# Altium PCB Nav-HAT.PcbDoc
Units mil, origin at the board's own origin, x right, y up, seen from the top; angles counter-clockwise.
Board outline 6000 x 4000 mil, 2 copper layers (Top Layer, Bottom Layer); 118 components, 92 nets, 398 pads, 0 vias.
Unrouted connection lines stored in the file: 273.
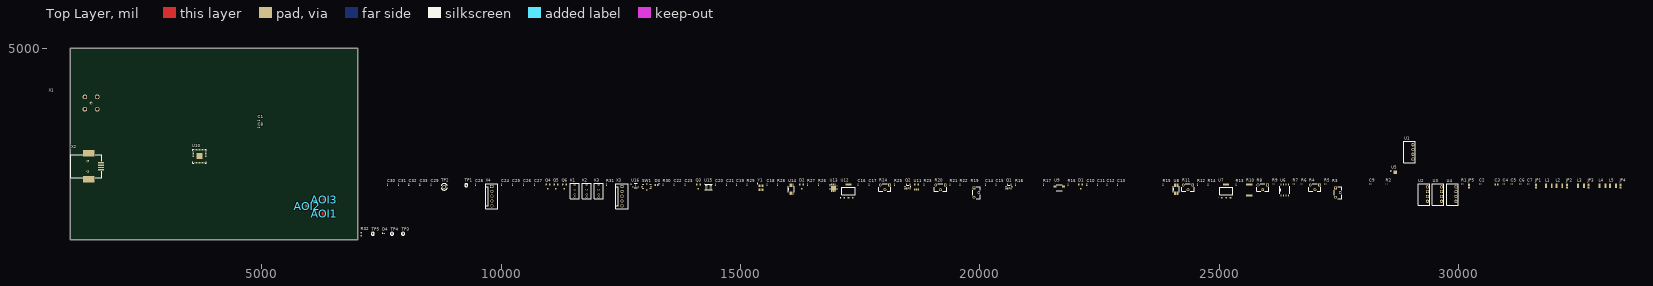
[diagram p0: Top Layer view]
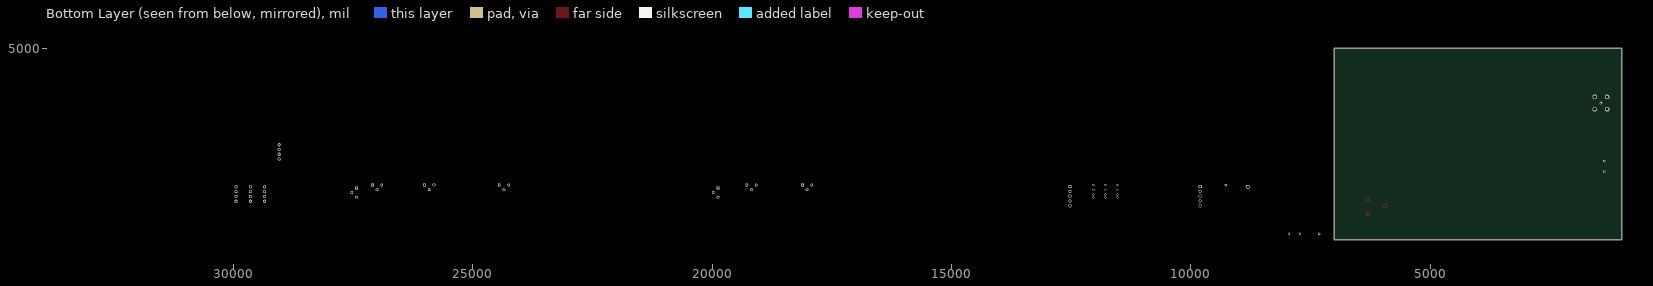
[diagram p1: Bottom Layer view, seen from below]

## Layer stack, top to bottom
Top Solder: solder mask 0.4, Solder Resist, Dk 3.5
Top Layer: signal copper 1.4
Dielectric 1: dielectric 12.6, FR-4, Dk 4.8
Bottom Layer: signal copper 1.4
Bottom Solder: solder mask 0.4, Solder Resist, Dk 3.5

## Board outline
1000,1000 7000,1000 7000,5000 1000,5000

## Design rules (kind name [scope] priority, off if disabled: settings)
Clearance [All] p1: gap=10 ignorepadtopadclearanceinfootprint=FALSE except(0: Arc-Hole Track-Hole SMDPad-Hole THPad-Hole Via-Hole Fill-Hole Poly-Hole Region-Hole Text-Hole)
PolygonConnect [All] p1: connectstyle=Relief reliefconductorwidth=10 reliefentries=4 polygonreliefangle="90 Angle" airgapwidth=10
RoutingVias [All] p1: holewidth=28 width=50 viastyle="Through Hole" minholewidth=28 minwidth=50 maxholewidth=28 maxwidth=50
SolderMaskExpansion [All] p1: expansion=4 istentingtop=FALSE
Width [All] p1: maxlimit=10 minlimit=10 preferedwidth=10
30 further rules are at their usual default settings.

## Components (designator, comment, footprint, x,y, rotation, side; value= is the part's Value field where it differs from the comment)
AOI1 "FIDUCIAL_MARKER_CROSS" FIDUCIAL_MARKER_CROSS 6300,1540 r0 top
AOI2 "FIDUCIAL_MARKER_POINT" FIDUCIAL_MARKER_POINT 5945,1705 r90 top
AOI3 "FIDUCIAL_MARKER_POINT" FIDUCIAL_MARKER_POINT 6310,1840 r90 top
C1 "CL05A105KP5NNNC" CAPC0402 4940,3490 r0 top value=1u
C2 "CL05A105KP5NNNC" CAPC0402 30450,2165 r0 top value=1u
C3 "680n_0603_25V_X7R_10%" CAPC0603 30785,2155 r0 top value=680n
C4 "CL05A475KP5NRNC" CAPC0402 30940,2165 r0 top value=4u7
C5 "CL05A475KP5NRNC" CAPC0402 31110,2165 r0 top value=4u7
C6 "CL05A475KP5NRNC" CAPC0402 31280,2165 r0 top value=4u7
C7 "CL05A475KP5NRNC" CAPC0402 31450,2165 r0 top value=4u7
C8 "CL05A105KP5NNNC" CAPC0402 4935,3340 r0 top value=1u
C9 "CC0402BRNPO9BN2R0" CAPC0402 28150,2165 r0 top value=2p
C10 "C0402C104J8RACTU" CAPC0402 22230,2145 r90 top value=100n
C11 "C0402C104J8RACTU" CAPC0402 22450,2145 r90 top value=100n
C12 "CC0402KRX7R8BB102" CAPC0402 22650,2145 r90 top value=2u2
C13 "CC0402KRX7R8BB102" CAPC0402 22870,2145 r90 top value=2u2
C14 "C0402C104J8RACTU" CAPC0402 20115,2145 r90 top value=100n
C15 "C0402C104J8RACTU" CAPC0402 20335,2145 r90 top value=100n
C16 "C0402C104J8RACTU" CAPC0402 17455,2145 r90 top value=100n
C17 "C0402C104J8RACTU" CAPC0402 17680,2145 r90 top value=100n
C18 "C0402C104J8RACTU" CAPC0402 15555,2145 r90 top value=100n
C19 "C0402C104J8RACTU" CAPC0402 14915,2145 r90 top value=100n
C20 "GJM1555C1H3R0BB01D" CAPC0402 14475,2145 r90 top value=15pF
C21 "GJM1555C1H3R0BB01D" CAPC0402 14705,2145 r90 top value=15pF
C22 "C0402C104J8RACTU" CAPC0402 13610,2145 r90 top value=100n
C23 "C0402C104J8RACTU" CAPC0402 13840,2145 r90 top value=100n
C24 "C0402C104J8RACTU" CAPC0402 10005,2145 r90 top value=100n
C25 "C0402C104J8RACTU" CAPC0402 10235,2145 r90 top value=100n
C26 "C0402C104J8RACTU" CAPC0402 10465,2145 r90 top value=100n
C27 "C0402C104J8RACTU" CAPC0402 10695,2145 r90 top value=100n
C28 "C0402C104J8RACTU" CAPC0402 9460,2145 r90 top value=100n
C29 "C0402C104J8RACTU" CAPC0402 8530,2145 r90 top value=100n
C30 "C0402C104J8RACTU" CAPC0402 7625,2145 r90 top value=100n
C31 "C0402C104J8RACTU" CAPC0402 7855,2145 r90 top value=100n
C32 "C0402C104J8RACTU" CAPC0402 8070,2145 r90 top value=100n
C33 "C0402C104J8RACTU" CAPC0402 8300,2145 r90 top value=100n
D1 "LM4040D30FTA" SOT23-3 22100,2110 r0 top value=3V
D2 "ADR510" SOT23-3 16275,2110 r0 top value=1V
D3 "LTST-C190GKT" LED0603G 13245,2145 r0 top
D4 "BAS40L-HG3-08" DFN1006-2A 7550,1135 r0 top
JP1 "5110 Keystone" JumperSMD_0603 31610,2120 r90 top value=0R
JP2 "5110 Keystone" JumperSMD_0603 32260,2120 r90 top value=0R
JP3 "5110 Keystone" JumperSMD_0603 32710,2120 r90 top value=0R
JP4 "5110 Keystone" JumperSMD_0603 33380,2120 r90 top value=0R
JP5 "5110 Keystone" JumperSMD_0603 30210,2120 r90 top value=0R
K1 "118-1-A-5/2D" 118-1-A-5/2D 11535,2015 r90 top
K2 "118-1-A-5/2D" 118-1-A-5/2D 11785,2015 r90 top
K3 "118-1-A-5/2D" 118-1-A-5/2D 12035,2015 r90 top
L1 "AISC-0603F-1R0J-T" INDC1210 31880,2125 r0 top value=10u
L2 "AISC-0603F-1R0J-T" INDC1210 32100,2125 r0 top value=10u
L3 "INDC_4u7_1210_800mA_20%" INDC1210 32550,2125 r0 top value=4u7
L4 "INDC_4u7_1210_800mA_20%" INDC1210 33000,2125 r0 top value=4u7
L5 "INDC_4u7_1210_800mA_20%" INDC1210 33220,2125 r0 top value=4u7
Q1 "BCV62B,215" SOT-143B 20610,2110 r0 top
Q2 "BCV62B,215" SOT-143B 18500,2110 r0 top
Q3 "FDV303N" SOT23-3 14120,2110 r0 top
Q4 "FDV303N" SOT23-3 10975,2110 r0 top
Q5 "FDV303N" SOT23-3 11145,2110 r0 top
Q6 "FDV303N" SOT23-3 11320,2110 r0 top
R1 "CRCW040214K3FKED" RESC0402 30070,2165 r0 top value=14K
R2 "CRCW040214K3FKED" RESC0402 28490,2165 r0 top value=2K
R3 "R" PV37 27475,1985 r90 top value=20
R4 "R" PV37 26995,2095 r0 top value=1K
R5 "MCS0402PD4990DE500" RESC0402 27210,2165 r0 top value=499R
R6 "MCS0402PD4990DE500" RESC0402 26725,2165 r0 top value=604
R7 "CRCW040214K3FKED" RESC0402 26555,2165 r0 top value=107
R8 "R" PV37 25905,2095 r0 top value=1K
R9 "MCS0402PD4990DE500" RESC0402 26120,2165 r0 top value=499R
R10 "PCAN2512E1000BST5" RESC2512 25625,2040 r90 top value=150m
R11 "R" PV37 24345,2095 r0 top value=1K
R12 "MCS0402PD4990DE500" RESC0402 24545,2145 r90 top value=1K5
R13 "CRCW040214K3FKED" RESC0402 25345,2145 r90 top value=27
R14 "RC0402FR-071KL" RESC0402 24765,2145 r90 top value=1K
R15 "CRCW040214K3FKED" RESC0402 23825,2145 r90 top value=48R7
R16 "CRCW040214K3FKED" RESC0402 21835,2145 r90 top value=1R2
R17 "62R6_0402_63mW_1%_200ppm" RESC0402 21330,2145 r90 top value=62R6
R18 "CRCW040214K3FKED" RESC0402 20740,2145 r90 top value=27
R19 "R" PV37 19925,1985 r90 top value=20
R20 "R" PV37 19175,2095 r0 top value=1K
R21 "RC0402FR-071KL" RESC0402 19375,2145 r90 top value=1K
R22 "MCS0402PD4990DE500" RESC0402 19585,2145 r90 top value=604
R23 "MCS0402PD4990DE500" RESC0402 18830,2145 r90 top value=118
R24 "R" PV37 18015,2095 r0 top value=1K
R25 "RC0402FR-071KL" RESC0402 18215,2145 r90 top value=1K
R26 "CRCW040214K3FKED" RESC0402 16630,2145 r90 top value=3K
R27 "MCS0402PD4990DE500" RESC0402 16400,2145 r90 top value=10K2
R28 "RC0402FR-071KL" RESC0402 15775,2145 r90 top value=1K
R29 "MCS0402PD4990DE500" RESC0402 15135,2145 r90 top value=3K4
R30 "RC0402FR-07330RL" RESC0402 13380,2145 r90 top value=330R
R31 "RC0402FR-071KL" RESC0402 12200,2145 r90 top value=1K
R32 "" RESC0603 7075,1115 r90 top value=10
SW1 "434133025816" 434133025816 13040,2110 r0 top
TP1 "TP_TH_PROBE_0.8mm" TP_TH_PROBE_0.8mm 9270,2140 r0 top
TP2 "Keystone Electronics 5011" TP_TH_1.6mm_BLACK_OVAL 8810,2105 r0 top value=TP_TH_1.6mm_BLACK_OVAL
TP3 "TP_TH_PROBE_0.8mm" TP_TH_PROBE_0.8mm 7950,1125 r90 top
TP4 "TP_TH_PROBE_0.8mm" TP_TH_PROBE_0.8mm 7720,1125 r90 top
TP5 "TP_TH_PROBE_0.8mm" TP_TH_PROBE_0.8mm 7320,1125 r90 top
U1 "MEE1S0503SC" MEE1SXXXXSC 28965,2835 r90 top
U2 "CRE1S0505SC" CRE1SXXXXCS 29270,1955 r90 top
U3 "CRE1S0505SC" CRE1SXXXXCS 29565,1955 r90 top
U4 "CRE1S0515SC" CRE1SXXXXCS 29865,1955 r90 top
U5 "ST1L08PUR" "DFN8 (2x3)" 28675,2410 r0 top
U6 "LT1227CS8#PBF" "SOIC8 (R-8)" 26365,2040 r0 top value=LT1227
U7 "LT3092" SOT-232-3 25140,2015 r0 top
U8 "AD8221ARMZ-R7" MSOP8(RM-8) 24100,2055 r90 top
U9 "AD5627" MSOP10(RM-10) 21655,2085 r0 top value=AD5627BRMZ
U10 "RP2040" QFN56_7X7_RPI 3700,2745 r0 top
U11 "AD8009JRTZ-REEL7" SOT23-5 18675,2100 r0 top
U12 "LT3092" SOT-232-3 17255,2015 r0 top
U13 "ADG5208BCPZ-RL7" CP-16-17 16940,2085 r0 top value=ADG5208B
U14 "AD8221ARMZ-R7" MSOP8(RM-8) 16055,2055 r90 top
U15 "74LVC1G10W6-7" "SOT23-6 (RJ-6)" 14330,2100 r0 top
U16 "W25Q16JVUXIQ TR" USON-8_UX_2x3x0p6_WIN 12810,2130 r0 top
X1 "112778" CON_TH_2_F_90_BNC 1435,3855 r0 top value=CON_TH_2_F_90_BNC
X2 "1-1734346-1" CONN_1-1734346-1_TYCO 1335,2535 r90 top
X3 "22-29-2051" HDR_TH_1X5_M_00_LOCK 12525,1910 r90 top value=HDR_TH_1X5_M_00_LOCK
X4 "22-29-2051" HDR_TH_1X5_M_00_LOCK 9805,1910 r90 top value=HDR_TH_1X5_M_00_LOCK
Y1 "ABM8-272-T3" ABM8 15430,2085 r0 top value=12MHz

## Footprints (in the part's own frame and the unit in brackets; to place one, negate y for a bottom-side part, rotate by r counter-clockwise, add the part's x,y. Pads: shape width x height; smd on the part's side, far side on the other; paste and mask are expansions set on the pad)
118-1-A-5/2D [mil] "ATE Relay (NO)"
  round 40 hole 25 paste-99999 mask+1.97: 1(-130,0) 2(-70,0) 3(30,0) 4(130,0)
  silkscreen extent -160,-95 160,95, body extent -160,-94 160,94, height 600
434133025816 [mm] "Push Button 4.2x3.2mm"
  rect 1.05x0.65 smd mask+0: 1(-2.075,1.075) 2(2.075,1.075) 3(-2.075,-1.075) 4(2.075,-1.075)
  silkscreen extent -2.3,-1.6 2.3,1.6, body extent -2.3,-1.6 2.3,1.6, height 2.5
ABM8 [mm] "Abracon ABM8 series footrpint"
  rect 1.1x1.4 smd: 1(-0.8,1.1) 2(-0.8,-1.1) 3(0.8,-1.1) 4(0.8,1.1)
  silkscreen extent -2.03,2.07 -1.77,2.33, body extent -1.35,-1.7 1.35,1.7, height 0.76
CAPC0402 [mm] "Chip Capacitor; Body 1.0x0.5mm (LxW typ) [0402], IPC High Density"
  rect 0.55x0.55 smd paste+0 mask+0.05: 1(-0.4,0) 2(0.4,0)
  body extent -0.5,-0.25 0.5,0.25, height 0.5
CAPC0603 [mm] "Chip Capacitor; Body 1.6x0.8mm (LxW typ) [0603], IPC High Density"
  rect 0.75x0.9 smd paste+0 mask+0.05: 1(-0.7,0) 2(0.7,0)
  body extent -0.8,-0.4 0.8,0.4, height 0.8
CON_TH_2_F_90_BNC [mm] "Connector; BNC Jack; Right Angled; 75Ohm"
  round 2.5 hole 1.6 unplated: 0(-3.28,-3.28) 0(-3.28,3.28) 0(3.28,-3.28) 0(3.28,3.28)
  round 1.4 hole 0.75 unplated: 1(0,0)
  body extent -22.63,-5.26 5.26,5.26, height 11.74
CONN_1-1734346-1_TYCO [mil] "USB Type B Receptacle Tyco part 1-1734346-1"
  round 50 / inner round 60 / far side round 50 hole 30 paste-99999 mask-25: 0(-108.5,-32.27) 0(108.5,-32.27)
  rect 28x118 smd: 1(-73.5,-308.27) 2(24.5,-308.27) 3(73.5,-308.27) 4(-24.5,-308.27)
  rect 134x238 smd: 5(-272.5,-55.27) 5(272.5,-55.27)
  silkscreen extent -244,-322 244,322, body extent -325,-351 325,322, height 445
CP-16-17 [mm] "Lead Frame Chip Scale Package, 16-Lead, 4x4mm"
  rect 0.65x0.35 smd paste+0 mask+0.05: 1(-1.875,0.975)
  rrect25% 0.65x0.35 smd paste+0 mask+0.05: 2(-1.875,0.325) 3(-1.875,-0.325) 4(-1.875,-0.975) 9(1.875,-0.975) 10(1.875,-0.325) 11(1.875,0.325) 12(1.875,0.975)
  rrect25% 0.35x0.65 smd paste+0 mask+0.05: 5(-0.975,-1.875) 6(-0.325,-1.875) 7(0.325,-1.875) 8(0.975,-1.875) 13(0.975,1.875) 14(0.325,1.875) 15(-0.325,1.875) 16(-0.975,1.875)
  rrect10% 2.7x2.7 smd paste+0 mask+0.05: 17(0,0)
  silkscreen extent -1.97,1.55 -1.78,1.75, body extent -2.01,-2.01 2.01,2.01, height 0.75
CRE1SXXXXCS [mm] "Murata CRE1SXXXXCS series DC/DC converter footprint"
  round 1.7 hole 1: 1(-3.81,-1.91) 2(-1.27,-1.91) 3(1.27,-1.91) 4(3.81,-1.91)
  silkscreen extent -6.02,-3.06 5.53,3.06, body extent -6.02,-3.06 5.51,3.06, height 9.9
"DFN8 (2x3)" [mil] "8 DFN 2x3mm ST"
  rect 75x69 smd paste+0 mask+0: 0(0,0)
  rect 28x10 smd paste+0 mask+0: 1(-57,29.53) 2(-57,9.84) 3(-57,-9.84) 4(-57,-29.53) 5(57,-29.53) 6(57,-9.84) 7(57,9.84) 8(57,29.53)
  silkscreen extent -97,26 -89,34, body extent -59,-39 59,39, height 39
DFN1006-2A [mil]
  rect 12x22 smd paste+0 mask-1: 1(-14.5,0) 2(14.5,0)
  silkscreen extent -35,-4 -27,4, body extent -21,-13 21,13, height 20
FIDUCIAL_MARKER_CROSS [mil]
  Top Layer circle w5.91: c0,0 r39.37
  Top Layer lines w5.91: -51.18,0 51.18,0 ; 0,-51.18 0,51.18
FIDUCIAL_MARKER_POINT [mm]
  round 1 smd paste+0 mask+0: 0(0,0)
  Top Layer circle w0.15: c0,0 r1
HDR_TH_1X5_M_00_LOCK [mm] "Header; 1x5 pins; Male; Straight; Pitch 2.54mm; Lock Funcion; Board to Cable/Wire"
  rect 1.7x1.7 hole 1.2 paste-2539.97 mask+0.05: 1(5.08,0)
  round 1.7 hole 1.2 paste-2539.97 mask+0.05: 2(2.54,0) 3(0,0) 4(-2.54,0) 5(-5.08,0)
  silkscreen extent -6.65,-3.25 6.65,3.25, body extent -6.35,-2.9 6.35,2.9, height 11.75
INDC1210 [mm]
  rect 1x2.5 smd: 1(-1.55,0) 2(1.55,0)
  body extent -1.6,-1.25 1.6,1.25, height 2.3
JumperSMD_0603 [mm] "Chip Resistor, Body 1.6x0.8mm (LxW typ), IPC High Density"
  rect 1.2x1 smd paste-1 mask+0.05: 1(-0.711,0) 2(0.711,0)
  body extent -0.77,-0.42 0.78,0.43, height 0.7
LED0603G [mm] "LED, 0603, Green"
  rect 0.75x0.9 smd paste+0 mask+0.05: 1(-0.7,0) 2(0.7,0)
  silkscreen extent 1.2,0.54 1.4,0.73, body extent -0.8,-0.4 0.8,0.4, height 0.88
MEE1SXXXXSC [mm] "Murata MEE1SXXXXCS series DC/DC converter footprint"
  round 1.7 hole 1: 1(-3.81,-1.91) 2(-1.27,-1.91) 3(1.27,-1.91) 4(3.81,-1.91)
  silkscreen extent -5.86,-3.18 5.62,2.89, body extent -5.86,-3.18 5.62,2.89, height 10
MSOP8(RM-8) [mil] "8-Lead MSOP"
  rect 70x17 smd paste+0 mask+1.97: 1(-80.5,38.39)
  rrect25% 70x17 smd paste+0 mask+1.97: 2(-80.5,12.8) 3(-80.5,-12.8) 4(-80.5,-38.39) 5(80.5,-38.39) 6(80.5,-12.8) 7(80.5,12.8) 8(80.5,38.39)
  silkscreen extent -63,-63 63,63, body extent -97,-61 97,61, height 43
MSOP10(RM-10) [mil]
  rect 60x13 smd paste+0 mask+0: 1(-85.5,39.37) 2(-85.5,19.68) 3(-85.5,0) 4(-85.5,-19.68) 5(-85.5,-39.37) 6(85.5,-39.37) 7(85.5,-19.68) 8(85.5,0) 9(85.5,19.68) 10(85.5,39.37)
  silkscreen extent -66,-66 66,66, body extent -101,-61 101,61, height 43
PV37 [mm] "Bourns PV37 series POT footprint"
  rect 1.524x1.524 hole 0.9: 1(2.5,1.25)
  round 1.524 hole 0.9: 2(0,-1.25) 3(-2.5,1.25)
  silkscreen extent -3.2,-2 3.2,2, body extent -3.2,-2 3.2,2, height 7.9
QFN56_7X7_RPI [mil]
  rect 126x126 smd paste-63 mask+0: 0(0,0)
  rect 32x7 smd paste+0 mask+0: 1(-134,102.36) 2(-134,86.61) 3(-134,70.87) 4(-134,55.12) 5(-134,39.37) 6(-134,23.62) 7(-134,7.87) 8(-134,-7.87) 9(-134,-23.62) 10(-134,-39.37) 11(-134,-55.12) 12(-134,-70.87) 13(-134,-86.61) 14(-134,-102.36) 29(134,-102.36) 30(134,-86.61) 31(134,-70.87) 32(134,-55.12) 33(134,-39.37) 34(134,-23.62) 35(134,-7.87) 36(134,7.87) 37(134,23.62) 38(134,39.37) 39(134,55.12) 40(134,70.87) 41(134,86.61) 42(134,102.36)
  rect 7x32 smd paste+0 mask+0: 15(-102.36,-134) 16(-86.61,-134) 17(-70.87,-134) 18(-55.12,-134) 19(-39.37,-134) 20(-23.62,-134) 21(-7.87,-134) 22(7.87,-134) 23(23.62,-134) 24(39.37,-134) 25(55.12,-134) 26(70.87,-134) 27(86.61,-134) 28(102.36,-134) 43(102.36,134) 44(86.61,134) 45(70.87,134) 46(55.12,134) 47(39.37,134) 48(23.62,134) 49(7.87,134) 50(-7.87,134) 51(-23.62,134) 52(-39.37,134) 53(-55.12,134) 54(-70.87,134) 55(-86.61,134) 56(-102.36,134)
  silkscreen extent -143,-143 143,143, body extent -138,-138 138,138, height 35
RESC0402 [mm] "Chip Resistor, Body 1.1x0.5mm (LxW typ) [0402], IPC High Density"
  rect 0.5x0.5 smd paste+0 mask+0.05: 1(-0.4,0) 2(0.4,0)
  body extent -0.5,-0.25 0.5,0.25, height 0.35
RESC0603 [mm] "Chip Resistor, Body 1.6x0.8mm (LxW typ) [0603], IPC High Density"
  rect 0.75x0.9 smd paste+0 mask+0.05: 1(-0.7,0) 2(0.7,0)
  body extent -0.8,-0.4 0.8,0.4, height 0.45
RESC2512 [mm] "Chip Resistor, Body 6.3x3.2mm (LxW typ) [2512], IPC High Density"
  rect 1.1x3.3 smd paste+0 mask+0.05: 1(-2.85,0) 2(2.85,0)
  body extent -3.2,-1.6 3.2,1.6, height 0.6
"SOIC8 (R-8)" [mil]
  rect 20x39 smd paste+0 mask+1.97: 1(-75,-113)
  rrect25% 20x39 smd paste+0 mask+1.97: 2(-25,-113) 3(25,-113) 4(75,-113) 5(75,113) 6(25,113)
  rrect25% 20x40 smd paste+0 mask+1.97: 7(-25,113) 8(-75,113)
  silkscreen extent -102,-79 102,79, body extent -98,-122 98,122, height 69
SOT23-3 [mm]
  rect 0.8x0.9 smd paste+0 mask+0.05: 1(0.95,1.15)
  rrect50% 0.8x0.9 smd paste+0 mask+0.05: 2(-0.95,1.15) 3(0,-1.15)
  body extent -1.45,-1.4 1.45,1.4, height 1.3
SOT23-5 [mil] "SOT 23 5 lead"
  rect 28x39 smd paste+0 mask+1.97: 1(-37,-51)
  rrect50% 28x39 smd paste+0 mask+1.97: 2(0,-51) 3(37,-51) 4(37,51) 5(-37,51)
  body extent -59,-49 59,49, height 42
"SOT23-6 (RJ-6)" [mil]
  rect 49.56x20 smd paste+0 mask+1.97: 1(-48,37.4)
  rrect50% 49.56x20 smd paste+0 mask+1.97: 2(-48,0) 3(-48,-37.4) 4(48,-37.4) 5(48,0) 6(48,37.4)
  silkscreen extent -92,-59 76,71, body extent -59,-59 59,59, height 57
SOT-143B [mil]
  rect 35x46 smd: 1(-29.4,-40)
  rect 19x46 smd: 2(37.4,-40) 3(37.4,40) 4(-37.4,40)
  silkscreen extent -70,-46 59,28, body extent -59,-49 59,49, height 43
SOT-232-3 [mil]
  rect 35x40 smd: 1(-90.55,-137.5) 2(0,-137.5) 3(90.55,-137.5)
  rect 126x40 smd: 4(0,137.5)
  silkscreen extent -168,-141 137,78, body extent -132,-144 132,144, height 71
TP_TH_1.6mm_BLACK_OVAL [mm] "Test Point, TH, Black, 1.6mm hole"
  round 2.2 hole 1.6 paste-2539.97 mask+0.05: 0(0,0)
  silkscreen extent -1.62,-1.72 1.62,1.72, body extent -1.59,-1.59 1.59,1.59, height 8.13
TP_TH_PROBE_0.8mm [mm] "Test Point, TH for Probe, 0.8mm hole"
  round 1.2 hole 0.8 paste-2539.97 mask+0.05: 0(0,0)
  silkscreen extent -0.85,-0.85 0.85,0.85
USON-8_UX_2x3x0p6_WIN [mil]
  rect 10x65 smd: 0(0,0)
  rect 32x10 smd: 1(-57,29.53) 2(-57,9.84) 3(-57,-9.84) 4(-57,-29.53) 5(57,-29.53) 6(57,-9.84) 7(57,9.84) 8(57,29.53)
  silkscreen extent -99,-46 36,46, body extent -61,-41 61,41, height 24

## Part data
AOI1 AOI2 AOI3: "Assembly AOI"
C1 C2 C8: library part 1u_0402_10V_X5R_10%, "Capacitor; Ceramic; 1u; 0402; 10V; X5R; 10%; -55°C ~ 85°C", Manufacturer="Samsung Electro-Mechanics", Supplier Part Number 1=1276-1076-6-ND, ComponentLink1Description=Datasheet, ComponentLink1URL=https://www.samsungsem.com/resources/file/global/support/product_catalog/MLCC.pdf, ComponentLink2Description="Supplier Info", ComponentLink2URL=https://www.digikey.com/en/products/detail/samsung-electro-mechanics/CL05A105KP5NNNC/3886734?s=N4IgTCBcDaIIxgOwDYC0cAMLVoHIBEQBdAXyA, Manufacturer Part Number=CL05A105KP5NNNC, Supplier 1=DigiKey
C3: "Capacitor; Ceramic; 0.68u; 0603; 25V; X7R; 10%; -55°C ~ 125°C", Manufacturer=YAGEO, Manufacturer Part Number=CC0603KRX7R8BB684, Supplier Part Number 1=13-CC0603KRX7R8BB684CT-ND, ComponentLink1Description=Datasheet, ComponentLink1URL=https://www.yageo.com/upload/media/product/productsearch/datasheet/mlcc/UPY-GPHC_X7R_6.3V-to-250V_24.pdf, ComponentLink2Description="Supplier Info", ComponentLink2URL=https://www.digikey.de/en/products/detail/yageo/CC0603KRX7R8BB684/16797741, Supplier 1=Digi-Key
C4 C5 C6 C7: library part 4u7_0402_10V_X5R_10%, "Capacitor; Ceramic; 4.7u; 0402; 10V; X5R; 10%; -55°C ~ 85°C", Manufacturer="Samsung Electro-Mechanics", Supplier Part Number 1=1276-1480-6-ND, ComponentLink1Description=Datasheet, ComponentLink1URL=https://media.digikey.com/pdf/Data%20Sheets/Samsung%20PDFs/CL05A475KP5NRNC_Spec.pdf, ComponentLink2Description="Supplier Info", ComponentLink2URL=https://www.digikey.com/en/products/detail/samsung-electro-mechanics/CL05A475KP5NRNC/3887138?s=N4IgTCBcDaIIxgOwDYC0cAsAOADKtAcgCIgC6AvkA, Manufacturer Part Number=CL05A475KP5NRNC, Supplier 1=DigiKey
C9: library part 2p_0402_50V_C0G/NP0_0.1pF, "Capacitor; Ceramic; 2p; 0402; 50V; C0G/NP0; +/-0.1pF; -55°C ~ 125°C", Manufacturer=Yageo, Supplier Part Number 1=311-1617-6-ND, ComponentLink1Description=Datasheet, ComponentLink1URL=https://www.yageo.com/upload/media/product/productsearch/datasheet/mlcc/UPY-GP_NP0_16V-to-50V_18.pdf, ComponentLink2Description="Supplier Info", ComponentLink2URL=https://www.digikey.com/en/products/detail/yageo/CC0402BRNPO9BN2R0/5195026?s=N4IgTCBcDaIMwEYEFoEDYEHZluQOQBEQBdAXyA, Manufacturer Part Number=CC0402BRNPO9BN2R0, Supplier 1=DigiKey
C10 C11 C14 C15 C16 C17 C18 C19 C22 C23 C24 C25 C26 C27 C28 C29 C30 C31 C32 C33: library part 100n_0402_10V_X7R_5%, "Capacitor; Ceramic; 100n; 0402; 10V; X7R; 5%; -55°C ~ 125°C", Manufacturer=KEMET, Supplier Part Number 1=399-8942-6-ND, ComponentLink1Description=Datasheet, ComponentLink1URL=https://content.kemet.com/datasheets/KEM_C1002_X7R_SMD.pdf, ComponentLink2Description="Supplier Info", ComponentLink2URL=https://www.digikey.com/en/products/detail/kemet/C0402C104J8RACTU/2196231?s=N4IgTCBcDaIMwE4EFoAcCAsZkDZkDkAREAXQF8g, Manufacturer Part Number=C0402C104J8RACTU, Supplier 1=DigiKey
C12 C13: library part 2u2_0402_50V_X5R_10%, "Capacitor; Ceramic; 2u2; 0402; 50V; X5R; 10%; -55°C ~ 85°C", Manufacturer="Murata Electronics", Manufacturer Part Number=GRM155R61H222KA01D, Supplier Part Number 1=490-8257-1-ND, ComponentLink1Description=Datasheet, ComponentLink1URL=https://search.murata.co.jp/Ceramy/image/img/A01X/G101/ENG/GRM155R61H222KA01-01.pdf, ComponentLink2Description="Supplier Info", ComponentLink2URL=https://www.digikey.de/en/products/detail/murata-electronics/GRM155R61H222KA01D/2610873, Supplier 1=DigiKey
C20 C21: library part 15p_0402_25V_C0G/NP0_5%, "Capacitor; Ceramic; 15p; 0402; 25V; C0G/NP0; +/-5%; -55°C ~ 125°C", Manufacturer=YAGEO, Manufacturer Part Number=CC0402JRNPO8BN150, Supplier Part Number 1=311-3746-1-ND, ComponentLink1Description=Datasheet, ComponentLink1URL=https://www.yageo.com/upload/media/product/productsearch/datasheet/mlcc/UPY-GP_NP0_16V-to-50V_18.pdf, ComponentLink2Description="Supplier Info", ComponentLink2URL=https://www.digikey.de/en/products/detail/yageo/CC0402JRNPO8BN150/5883268, Supplier 1=DigiKey
D1: "Shunt Voltage Reference IC Fixed 3V ±1% 15 mA SOT-23-3", Manufacturer="Diodes Incorporated", Supplier Part Number 1=LM4040D30FTADICT-ND, ComponentLink1Description=Datasheet, ComponentLink1URL=https://www.diodes.com/assets/Datasheets/LM4040.pdf, ComponentLink2Description="Supplier Info", ComponentLink2URL=https://www.digikey.de/en/products/detail/diodes-incorporated/LM4040D30FTA/4249974, Manufacturer Part Number=LM4040D30FTA, Supplier 1=Digi-Key
D2: library part ADR510ARTZ-REEL7, "Shunt Voltage Reference IC Fixed 1V ±0.35% 10 mA SOT-23-3", Manufacturer="Analog Devices Inc.", Supplier Part Number 1=505-ADR510ARTZ-REEL7CT-ND, ComponentLink1Description=Datasheet, ComponentLink1URL=https://www.analog.com/media/en/technical-documentation/data-sheets/ADR510.pdf, ComponentLink2Description="Supplier Info", ComponentLink2URL=https://www.digikey.de/en/products/detail/analog-devices-inc/ADR510ARTZ-REEL7/820236, Manufacturer Part Number=ADR510ARTZ-REEL7, Supplier 1=Digi-Key
D3: library part LED_GN_LTST-C190GKT, "LED; Green; 571nm; SMD; 0603", Manufacturer="Lite-On Inc.", ComponentLink4Description="Supplier Info", ComponentLink4URL=https://www.digikey.de/en/products/detail/liteon/LTST-C190GKT/269230, ComponentLink5Description=Datasheet, ComponentLink5URL=https://mm.digikey.com/Volume0/opasdata/d220001/medias/docus/858/LTST-C190GKT.pdf, Manufacturer Part Number=LTST-C190GKT, Supplier 1=Digi-Key, Supplier Part Number 1=LTST-C190GKT
D4: "Diode; Schottky; Vr=40V; If=200A; SOD323F [SC90]", Manufacturer="Vishay General Semiconductor - Diodes Division", Supplier Part Number 1=112-BAS40L-HG3-08CT-ND, ComponentLink4Description="Supplier Info", ComponentLink4URL=https://www.vishay.com/docs/86189/bas40l.pdf, ComponentLink5Description=Datasheet, ComponentLink5URL=https://www.digikey.de/en/products/detail/vishay-general-semiconductor-diodes-division/BAS40L-HG3-08/13569707, Manufacturer Part Number=BAS40L-HG3-08, Supplier 1=Digi-Key
JP1 JP2 JP3 JP4 JP5: library part JMP_0R_0603, "Jumper; Chip; 0R; 0603; 500mW", Manufacturer=Keystone, Manufacturer Part Number=5110, Supplier Part Number 1=36-5110CT-ND, ComponentLink1Description=Datasheet, ComponentLink1URL=https://www.keyelco.com/userAssets/file/M65p54.pdf, ComponentLink2Description="Supplier Info", ComponentLink2URL=https://www.digikey.com/en/products/detail/keystone-electronics/5110/5118870?s=N4IgTCBcDaINIFMCeBnALgewHYIAQFYBGQgBhAF0BfIA, Supplier 1=Digi-Key
K1 K2 K3: "Relay, 1 Form A, Single Contact, NO, 0.5-1.0A, 200V, Through Hole", Manufacturer="Pickering Electronics", ComponentLink1Description="Supplier Info", ComponentLink1URL=http://www.pickeringrelay.com/, ComponentLink2Description=Datasheet, ComponentLink2URL=https://www.pickeringrelay.com/products/single-line-sil-series-111-119/single-line-sil-series-118/, Manufacturer Part Number=118-1-A-5/2D, Supplier 1="Pickering Electronics", Supplier Part Number 1=118-1-A-5/2D
L1 L2: library part INDC_10u_1210_500mA_10%, "Inductor; Chip; Unshielded; 10uH; 10%; 500mA; 400mR; 1210", Manufacturer="Murata Power Solutions Inc.", Manufacturer Part Number=82103C, Supplier Part Number 1=811-2473-1-ND, ComponentLink1Description="Supplier Info", ComponentLink1URL=https://search.murata.co.jp/Ceramy/image/img/P02A/kmp_8200c.pdf, ComponentLink2Description=Datasheet, ComponentLink2URL=https://www.digikey.de/en/products/detail/murata-power-solutions-inc/82103C/3178927?s=N4IgTCBcDaIBxgIwAYDMBhEBdAvkA, Supplier 1=Digi-Key
L3 L4 L5: "Inductor; Chip; Unshielded; 4.7uH; 20%; 800mA; 190mR; 1210", Manufacturer="Murata Power Solutions Inc.", Manufacturer Part Number=82472C, Supplier Part Number 1=811-2471-1-ND, ComponentLink1Description="Supplier Info", ComponentLink1URL=https://search.murata.co.jp/Ceramy/image/img/P02A/kmp_8200c.pdf, ComponentLink2Description=Datasheet, ComponentLink2URL=https://www.digikey.de/en/products/detail/murata-power-solutions-inc/82103C/3178927?s=N4IgTCBcDaIBxgIwAYDMBhEBdAvkA, Supplier 1=Digi-Key
Q1 Q2: "Transistor Current Mirror 2 PNP (Dual) Current Mirror 30V 100mA Surface Mount SOT-143B", Manufacturer="Nexperia USA Inc.", Supplier Part Number 1=1727-4900-1-ND, ComponentLink1Description=Datasheet, ComponentLink1URL=https://assets.nexperia.com/documents/data-sheet/BCV62.pdf, ComponentLink2Description="Supplier Info", ComponentLink2URL=https://www.digikey.de/en/products/detail/nexperia-usa-inc/BCV62B-215/1232432, Manufacturer Part Number=BCV62B,215, Supplier 1=Digi-Key
Q3 Q4 Q5 Q6: "Transistor; MOSFET; N-Channel; Vds=25V; Id=680MA; SOT23-3", Manufacturer="ON Semiconductor", Supplier Part Number 1=FDV303NDKR-ND, ComponentLink1Description="Supplier Info", ComponentLink1URL=https://www.digikey.com/en/products/detail/on-semiconductor/FDV303N/458853?s=N4IgTCBcDaIGIBEBqBmADCgcgg0gJQFpsQBdAXyA, ComponentLink2Description=Datasheet, ComponentLink2URL=https://www.onsemi.com/pdf/datasheet/fdv303n-d.pdf, Manufacturer Part Number=FDV303N, Supplier 1=Digi-Key
R1: library part 14K_0402_63mW_1%_100ppm, "Resistor; Chip; 14k; 0402; 1%; 100ppm; 63mW; -55°C ~ 155°C", Manufacturer=YAGEO, Manufacturer Part Number=RC0402FR-0714KL, Supplier Part Number 1=311-14.0KLRCT-ND, ComponentLink1Description=Datasheet, ComponentLink1URL=https://www.yageo.com/upload/media/product/products/datasheet/rchip/PYu-RC_Group_51_RoHS_L_12.pdf, ComponentLink2Description="Supplier Info", ComponentLink2URL=https://www.digikey.de/en/products/detail/yageo/RC0402FR-0714KL/726540, Supplier 1=DigiKey
R2: library part 2K_0402_63mW_1%_100ppm, "Resistor; Chip; 2k; 0402; 1%; 100ppm; 63mW; -55°C ~ 155°C", Manufacturer=YAGEO, Manufacturer Part Number=RC0402FR-072KL, Supplier Part Number 1=311-2KLRCT-ND, ComponentLink1Description=Datasheet, ComponentLink1URL=https://www.yageo.com/upload/media/product/products/datasheet/rchip/PYu-RC_Group_51_RoHS_L_12.pdf, ComponentLink2Description="Supplier Info", ComponentLink2URL=https://www.digikey.de/en/products/detail/yageo/RC0402FR-072KL/2827565, Supplier 1=DigiKey
R3 R19: library part 20R_POT_12T_250mW_10%_150ppm, "POT; Cement; 20Ohm; Top 12 turns; 10%; 150ppm; 250mW", Manufacturer="Bourns Inc.", Manufacturer Part Number=PV37W200C01B00, Supplier Part Number 1=490-2973-ND, ComponentLink1Description=Datasheet, ComponentLink1URL=https://www.bourns.com/docs/Product-Datasheets/pv37.pdf, ComponentLink2Description="Supplier Info", ComponentLink2URL=https://www.digikey.de/en/products/detail/bourns-inc/PV37W200C01B00/666600?s=N4IgjCBcpgnAHLKoDGUBmBDANgZwKYA0IA9lANogAMIAugL7EBMV8ArMiGpFnkaRRAsABAHkAFgFtcdYgAcALlBABVAHYBLBaPQBZfJlwBXAE74QjEAFoALJ268CxMpEpg2VOw2JWm9qAomRvwulBwM9PRAA, Supplier 1=Digi-Key
R4 R8 R11 R20 R24: library part 1K_POT_12T_250mW_10%_150ppm, "POT; Cement; 1K; Top 12 turns; 10%; 150ppm; 250mW", Manufacturer="Bourns Inc.", Manufacturer Part Number=PV37W102C01B00, Supplier Part Number 1=490-2969-ND, ComponentLink1Description=Datasheet, ComponentLink1URL=https://www.bourns.com/docs/Product-Datasheets/pv37.pdf, ComponentLink2Description="Supplier Info", ComponentLink2URL=https://www.digikey.de/en/products/detail/bourns-inc/PV37W102C01B00/666596, Supplier 1=Digi-Key
R5 R9: library part 499R_0402_63mW_1%_100ppm, "Resistor; Chip; 499R; 0402; 1%; 100ppm; 63mW; -55°C ~ 155°C", Manufacturer=YAGEO, Manufacturer Part Number=RC0402FR-07499RL, Supplier Part Number 1=311-499LRCT-ND, ComponentLink1Description=Datasheet, ComponentLink1URL=https://www.yageo.com/upload/media/product/products/datasheet/rchip/PYu-RC_Group_51_RoHS_L_12.pdf, ComponentLink2Description="Supplier Info", ComponentLink2URL=https://www.digikey.de/en/products/detail/yageo/RC0402FR-07499RL/726623?s=N4IgTCBcDaIMwEYEFoAsBOdAZASgYQBVkA5AERAF0BfIA, Supplier 1=DigiKey
R6 R22: library part 604R_0402_63mW_1%_100ppm, "Resistor; Chip; 604; 0402; 1%; 100ppm; 63mW; -55°C ~ 155°C", Manufacturer=YAGEO, Manufacturer Part Number=RC0402FR-07604RL, Supplier Part Number 1=YAG3199CT-ND, ComponentLink1Description=Datasheet, ComponentLink1URL=https://www.yageo.com/upload/media/product/products/datasheet/rchip/PYu-RC_Group_51_RoHS_L_12.pdf, ComponentLink2Description="Supplier Info", ComponentLink2URL=https://www.digikey.de/en/products/detail/yageo/RC0402FR-07604RL/5281059, Supplier 1=DigiKey
R7: library part 107R_0402_63mW_1%_100ppm, "Resistor; Chip; 107Ohm; 0402; 1%; 100ppm; 63mW; -55°C ~ 155°C", Manufacturer=YAGEO, Manufacturer Part Number=RC0402FR-07107RL, Supplier Part Number 1=YAG2949CT-ND, ComponentLink1Description=Datasheet, ComponentLink1URL=https://www.yageo.com/upload/media/product/products/datasheet/rchip/PYu-RC_Group_51_RoHS_L_12.pdf, ComponentLink2Description="Supplier Info", ComponentLink2URL=https://www.digikey.de/en/products/detail/yageo/RC0402FR-07107RL/5280809, Supplier 1=DigiKey
R10: library part 0.15R_2512_2W_0.1%_25ppm, "Resistor; Chip; 150m; 2512; 1%; 25ppm; 2W; -55°C ~ 170°C", Manufacturer="TE Connectivity Passive Product", Manufacturer Part Number=TLRP3A20CR150FTE, Supplier Part Number 1=1712-TLRP3A20CR150FTECT-ND, ComponentLink1Description=Datasheet, ComponentLink1URL=https://www.te.com/commerce/DocumentDelivery/DDEController?Action=srchrtrv&DocNm=1773449-4&DocType=DS&DocLang=English, ComponentLink2Description="Supplier Info", ComponentLink2URL=https://www.digikey.de/en/products/detail/te-connectivity-passive-product/TLRP3A20CR150FTE/14652402, Supplier 1=DigiKey
R12: library part 1K5_0402_63mW_1%_100ppm, "Resistor; Chip; 1K5; 0402; 1%; 100ppm; 63mW; -55°C ~ 155°C", Manufacturer=YAGEO, Manufacturer Part Number=AC0402FR-071K5L, Supplier Part Number 1=YAG3448CT-ND, ComponentLink1Description=Datasheet, ComponentLink1URL=https://www.yageo.com/upload/media/product/productsearch/datasheet/rchip/PYu-AC_51_RoHS_L_10.pdf, ComponentLink2Description="Supplier Info", ComponentLink2URL=https://www.digikey.de/en/products/detail/yageo/AC0402FR-071K5L/5895144, Supplier 1=DigiKey
R13 R18: library part 27R_0402_63mW_1%_100ppm, "Resistor; Chip; 27Ohm; 0402; 1%; 100ppm; 63mW; -55°C ~ 155°C", Manufacturer=YAGEO, Manufacturer Part Number=RC0402FR-0727RL, Supplier Part Number 1=YAG3086CT-ND, ComponentLink1Description=Datasheet, ComponentLink1URL=https://www.yageo.com/upload/media/product/products/datasheet/rchip/PYu-RC_Group_51_RoHS_L_12.pdf, ComponentLink2Description="Supplier Info", ComponentLink2URL=https://www.digikey.de/en/products/detail/yageo/RC0402FR-0727RL/5280946, Supplier 1=DigiKey
R14 R21 R25 R28 R31: library part 1K_0402_63mW_1%_100ppm, "Resistor; Chip; 1k; 0402; 50V; 1%; 100ppm; 63mW; -55°C ~ 155°C", Manufacturer=Yageo, Supplier Part Number 1=311-1.00KLRDKR-ND, ComponentLink1Description=Datasheet, ComponentLink1URL=https://www.yageo.com/upload/media/product/productsearch/datasheet/rchip/PYu-RC_Group_51_RoHS_L_11.pdf, ComponentLink2Description="Supplier Info", ComponentLink2URL=https://www.digikey.com/en/products/detail/yageo/RC0402FR-071KL/726513?s=N4IgTCBcDaIMwEYEFoEDoAMGDSAZASgCLb7IByhIAugL5A, Manufacturer Part Number=RC0402FR-071KL, Supplier 1=DigiKey
R15: library part 48R7_0402_63mW_1%_100ppm, "Resistor; Chip; 48R7; 0402; 1%; 100ppm; 63mW; -55°C ~ 155°C", Manufacturer=YAGEO, Manufacturer Part Number=RC0402FR-1348R7L, Supplier Part Number 1=13-RC0402FR-1348R7LCT-ND, ComponentLink1Description=Datasheet, ComponentLink1URL=https://www.yageo.com/upload/media/product/products/datasheet/rchip/PYu-RC_Group_51_RoHS_L_12.pdf, ComponentLink2Description="Supplier Info", ComponentLink2URL=https://www.digikey.de/en/products/detail/yageo/RC0402FR-1348R7L/17024343, Supplier 1=DigiKey
R16: library part 1R2_0402_63mW_1%_200ppm, "Resistor; Chip; 1R2; 0402; 1%; 200ppm; 63mW; -55°C ~ 155°C", Manufacturer=YAGEO, Manufacturer Part Number=AC0402FR-071R2L, Supplier Part Number 1=13-AC0402FR-071R2LCT-ND, ComponentLink1Description=Datasheet, ComponentLink1URL=https://www.yageo.com/upload/media/product/productsearch/datasheet/rchip/PYu-AC_51_RoHS_L_10.pdf, ComponentLink2Description="Supplier Info", ComponentLink2URL=https://www.digikey.de/en/products/detail/yageo/AC0402FR-071R2L/5895166, Supplier 1=DigiKey
R17: "Resistor; Chip; 62R6; 0402; 1%; 200ppm; 63mW; -55°C ~ 155°C", Manufacturer=YAGEO, Manufacturer Part Number=RC0402FR-075R62L, Supplier Part Number 1=13-RC0402FR-075R62LCT-ND, ComponentLink1Description=Datasheet, ComponentLink1URL=https://www.yageo.com/upload/media/product/products/datasheet/rchip/PYu-RC_Group_51_RoHS_L_12.pdf, ComponentLink2Description="Supplier Info", ComponentLink2URL=https://www.digikey.de/en/products/detail/yageo/RC0402FR-075R62L/5917726, Supplier 1=DigiKey
R23: library part 118R_0402_63mW_1%_100ppm, "Resistor; Chip; 118; 0402; 1%; 100ppm; 63mW; -55°C ~ 155°C", Manufacturer=YAGEO, Manufacturer Part Number=RC0402FR-07118RL, Supplier Part Number 1=13-RC0402FR-07118RLCT-ND, ComponentLink1Description=Datasheet, ComponentLink1URL=https://www.yageo.com/upload/media/product/products/datasheet/rchip/PYu-RC_Group_51_RoHS_L_12.pdf, ComponentLink2Description="Supplier Info", ComponentLink2URL=https://www.digikey.de/en/products/detail/yageo/RC0402FR-07118RL/2827618, Supplier 1=DigiKey
R26: library part 3K_0402_100mW_5%_200ppm, "Resistor; Chip; 3k; 0402; 5%; 200ppm; 100mW; -55°C ~ 155°C", Manufacturer="Panasonic Electronic Components", Manufacturer Part Number=ERJ-2GEJ302X, Supplier Part Number 1=P3.0KJCT-ND, ComponentLink1Description=Datasheet, ComponentLink1URL=https://api.pim.na.industrial.panasonic.com/file_stream/main/fileversion/1242, ComponentLink2Description="Supplier Info", ComponentLink2URL=https://www.digikey.de/en/products/detail/panasonic-electronic-components/ERJ-2GEJ302X/147000, Supplier 1=DigiKey
R27: library part 10K2_0402_63mW_1%_100ppm, "Resistor; Chip; 10K2; 0402; 1%; 100ppm; 63mW; -55°C ~ 155°C", Manufacturer=YAGEO, Manufacturer Part Number=RC0402FR-0710K2L, Supplier Part Number 1=YAG2950CT-ND, ComponentLink1Description=Datasheet, ComponentLink1URL=https://www.yageo.com/upload/media/product/products/datasheet/rchip/PYu-RC_Group_51_RoHS_L_12.pdf, ComponentLink2Description="Supplier Info", ComponentLink2URL=https://www.digikey.de/en/products/detail/yageo/RC0402FR-0710K2L/5280810, Supplier 1=DigiKey
R29: library part 3K4_0402_63mW_1%_100ppm, "Resistor; Chip; 3K4; 0402; 1%; 100ppm; 63mW; -55°C ~ 155°C", Manufacturer=YAGEO, Manufacturer Part Number=AC0402FR-073K4L, Supplier Part Number 1=YAG5668CT-ND, ComponentLink1Description=Datasheet, ComponentLink1URL=https://www.yageo.com/upload/media/product/productsearch/datasheet/rchip/PYu-AC_51_RoHS_L_10.pdf, ComponentLink2Description="Supplier Info", ComponentLink2URL=https://www.digikey.de/en/products/detail/yageo/AC0402FR-073K4L/5895327, Supplier 1=DigiKey
R30: library part 330R_0402_63mW_1%_100ppm, "Resistor; Chip; 330R; 0402; 50V; 1%; 100ppm; 63mW; -55°C ~ 155°C", Manufacturer=Yageo, Supplier Part Number 1=311-330LRDKR-ND, ComponentLink1Description=Datasheet, ComponentLink1URL=https://www.yageo.com/upload/media/product/productsearch/datasheet/rchip/PYu-RC_Group_51_RoHS_L_11.pdf, ComponentLink2Description="Supplier Info", ComponentLink2URL=https://www.digikey.com/en/products/detail/yageo/RC0402FR-07330RL/726594?s=N4IgTCBcDaIMwEYEFo5wAwBkBKARA0tsgHK4gC6AvkA, Manufacturer Part Number=RC0402FR-07330RL, Supplier 1=DigiKey
R32: library part 10R_0603_200mW_1%_100ppm, "Resistor; Chip; 10R; 0603; 1%; 100ppm; 200mW; -55°C ~ 155°C", Manufacturer="Vishay Dale", Manufacturer Part Number=RCC060310R0FKEA, Supplier Part Number 1=541-RCC060310R0FKEACT-ND, ComponentLink1Description=Datasheet, ComponentLink1URL=https://www.vishay.com/docs/20066/rcce3.pdf, ComponentLink2Description="Supplier Info", ComponentLink2URL=https://www.digikey.de/en/products/detail/vishay-dale/RCC060310R0FKEA/12084218, Supplier 1=DigiKey
SW1: "SWITCH TACTILE SPST-NO 0.05A 16V", Manufacturer="Würth Elektronik", Supplier Part Number 1=732-13663-1-ND, ComponentLink1Description=Datasheet, ComponentLink1URL=https://www.we-online.com/components/products/datasheet/434133025816.pdf, ComponentLink2Description="Supplier Info", ComponentLink2URL=https://www.digikey.de/en/products/detail/w%C3%BCrth-elektronik/434133025816/9950810?s=N4IgTCBcDaICwGY4EYEIAxgKwA5kDYQBdAXyA, Manufacturer Part Number=434133025816, Supplier 1=Digi-Key
TP1 TP3 TP4 TP5: "Test Point, TH for Probe, 0.8mm hole"
TP2: library part TP_TH_1.6mm_BLACK_OVAL, "Test Point, TH, Black, 1.6mm hole", Manufacturer="Keystone Electronics", Manufacturer Part Number 1=5011, Supplier Part Number 1=36-5011-ND, ComponentLink1Description="Supplier Info", ComponentLink1URL=https://www.digikey.com/en/products/detail/keystone-electronics/5011/255333?s=N4IgTCBcDaIMwDYC0BWADARg0gcgERAF0BfIA, ComponentLink2Description=Datasheet, ComponentLink2URL=https://www.keyelco.com/userAssets/file/M65p56.pdf, Supplier 1=Digi-Key
U1: "Isolated DC/DC Module 4.5V - 5.5V -> 3.3V@303mA", Manufacturer="Murata Power Solutions Inc.", Supplier Part Number 1=811-2738-ND, ComponentLink1Description=Datasheet, ComponentLink1URL=https://www.murata.com/products/productdata/8807029669918/kdc-mee1.pdf, ComponentLink2Description="Supplier Info", ComponentLink2URL=https://www.digikey.de/en/products/detail/murata-power-solutions-inc/MEE1S0503SC/3511361, Manufacturer Part Number=MEE1S0503SC, Supplier 1=Digi-Key
U2 U3: "Isolated DC/DC Module 4.5V - 5.5V -> 5V@200mA", Manufacturer="Murata Power Solutions Inc.", Supplier Part Number 1=811-3196-ND, ComponentLink1Description=Datasheet, ComponentLink1URL=https://www.murata.com/products/productdata/8807029407774/kdc-cre1.pdf, ComponentLink2Description="Supplier Info", ComponentLink2URL=https://www.digikey.de/en/products/detail/murata-power-solutions-inc/CRE1S0505SC/6056052, Manufacturer Part Number=CRE1S0505SC, Supplier 1=Digi-Key
U4: "Isolated DC/DC Module 4.5V - 5.5V -> 15V@67mA", Manufacturer="Murata Power Solutions Inc.", Supplier Part Number 1=811-3197-ND, ComponentLink1Description=Datasheet, ComponentLink1URL=https://www.murata.com/products/productdata/8807029407774/kdc-cre1.pdf, ComponentLink2Description="Supplier Info", ComponentLink2URL=https://www.digikey.de/en/products/detail/murata-power-solutions-inc/CRE1S0515SC/6056053, Manufacturer Part Number=CRE1S0515SC, Supplier 1=Digi-Key
U5: "IC REG LINEAR POS ADJ 800MA 8DFN", Manufacturer=STMicroelectronics, Supplier Part Number 1=497-15223-1-ND, ComponentLink1Description=Datasheet, ComponentLink1URL=https://www.st.com/content/ccc/resource/technical/document/datasheet/5f/25/d1/3f/f8/25/44/07/DM00123507.pdf/files/DM00123507.pdf/jcr:content/translations/en.DM00123507.pdf, ComponentLink2Description="Supplier Info", ComponentLink2URL=https://www.digikey.de/en/products/detail/stmicroelectronics/ST1L08PUR/5131805, Manufacturer Part Number=ST1L08PUR, Supplier 1=Digi-Key
U6: "IC; OPAMP; CFA; 140MHz; SOIC8", Manufacturer="Analog Devices Inc.", Supplier Part Number 1=505-LT1227CS8#PBF-ND, ComponentLink1Description="Supplier Info", ComponentLink1URL=https://www.digikey.de/en/products/detail/analog-devices-inc/LT1227CS8-PBF/889975, ComponentLink2Description=Datasheet, ComponentLink2URL=https://www.analog.com/media/en/technical-documentation/data-sheets/1227fb.pdf, Manufacturer Part Number=LT1227CS8#PBF, Supplier 1=DigiKey
U7 U12: "Current Source Regulator 200mA SOT-223-3", Manufacturer="Analog Devices Inc.", Manufacturer Part Number=LT3092EST#TRPBF, Supplier Part Number 1=LT3092EST#TRPBFCT-ND, ComponentLink1Description=Datasheet, ComponentLink1URL=https://www.analog.com/media/en/technical-documentation/data-sheets/lt3092.pdf, ComponentLink2Description="Supplier Info", ComponentLink2URL=https://www.digikey.de/en/products/detail/analog-devices-inc/LT3092EST-TRPBF/2181562, Supplier 1=Digi-Key
U8 U14: "IC; Instrumentation Amplifier; 1 Circuit; MSOP8", Manufacturer="Analog Devices Inc.", Supplier Part Number 1=AD8221ARMZ-R7CT-ND, ComponentLink1Description="Supplier Info", ComponentLink1URL=https://www.digikey.co.uk/en/products/detail/analog-devices-inc/AD8221ARMZ-R7/996058?s=N4IgTCBcDaIIIBEAcYwEY4CUCyAtAtJgOwIDSm%2BAcgiALoC%2BQA, ComponentLink2Description=Datasheet, ComponentLink2URL=https://www.analog.com/media/en/technical-documentation/data-sheets/AD8221.pdf, Manufacturer Part Number=AD8221ARMZ-R7, Supplier 1=DigiKey
U9: library part AD5627BRMZ, "IC; DAC x2; 12Bit; MSOP10", Manufacturer="Analog Devices Inc.", Supplier Part Number 1=AD5627BRMZ-ND, ComponentLink1Description="Supplier Info", ComponentLink1URL=https://www.digikey.de/en/products/detail/analog-devices-inc/AD5627BRMZ/1530740, ComponentLink2Description=Datasheet, ComponentLink2URL=https://www.analog.com/media/en/technical-documentation/data-sheets/AD5627R_5647R_5667R_5627_5667.pdf, Manufacturer Part Number=AD5627BRMZ, Supplier 1=Digi-Key
U10: "IC MCU 32BIT EXT MEM 56QFN", Manufacturer="Raspberry Pi", Manufacturer Part Number=SC0914(13), Supplier Part Number 1=2648-SC0914(13)CT-ND, ComponentLink1Description=Datasheet, ComponentLink1URL=https://datasheets.raspberrypi.com/rp2040/rp2040-datasheet.pdf, ComponentLink2Description="Supplier Info", ComponentLink2URL=https://www.digikey.de/en/products/detail/raspberry-pi/SC0914-13/14306010?s=N4IgTCBcDaIE4AcwAYAsyQF0C%2BQ, Supplier 1=Digi-Key
U11: "IC; OPAMP; CFA; 845MHz; SOT23-5", Manufacturer="Analog Devices Inc.", Supplier Part Number 1=AD8009JRTZ-REEL7CT-ND, ComponentLink1Description="Supplier Info", ComponentLink1URL=https://www.digikey.co.uk/en/products/detail/analog-devices-inc/AD8009JRTZ-REEL7/995931?s=N4IgTCBcDaIIIBEAcAGFBOAUgJQCoC0BabAURIBkB2BAaW0IDkEQBdAXyA, ComponentLink2Description=Datasheet, ComponentLink2URL=https://www.analog.com/media/en/technical-documentation/data-sheets/AD8009.pdf, Manufacturer Part Number=AD8009JRTZ-REEL7, Supplier 1=DigiKey
U13: "IC MUX 8:1 160OHM 16LFCSP", Manufacturer="Analog Devices Inc.", Supplier Part Number 1=505-ADG5208BCPZ-RL7CT-ND, ComponentLink1Description=Datasheet, ComponentLink1URL=https://www.analog.com/media/en/technical-documentation/data-sheets/ADG5208_5209.pdf, ComponentLink2Description="Supplier Info", ComponentLink2URL=https://www.digikey.de/en/products/detail/analog-devices-inc/ADG5208BCPZ-RL7/3232827, Manufacturer Part Number=ADG5208BCPZ-RL7, Supplier 1=Digi-Key
U15: "IC GATE NAND 1CH 3-INP SOT26", Manufacturer="Diodes Incorporated", Supplier Part Number 1=74LVC1G10W6-7CT-ND, ComponentLink1Description=Datasheet, ComponentLink1URL=https://www.diodes.com/assets/Datasheets/74LVC1G10.pdf, ComponentLink2Description="Supplier Info", ComponentLink2URL=https://www.digikey.de/en/products/detail/diodes-incorporated/74LVC1G10W6-7/3829447, Manufacturer Part Number=74LVC1G10W6-7, Supplier 1=Digi-Key
U16: "IC FLASH 16MBIT SPI/QUAD 8USON", Manufacturer="Winbond Electronics", Supplier Part Number 1=256-W25Q16JVUXIQTRCT-ND, ComponentLink1Description=Datasheet, ComponentLink1URL=https://www.winbond.com/resource-files/w25q16jv%20spi%20revh%2004082019%20plus.pdf, ComponentLink2Description="Supplier Info", ComponentLink2URL=https://www.digikey.de/en/products/detail/winbond-electronics/W25Q16JVUXIQ-TR/15182017, Manufacturer Part Number="W25Q16JVUXIQ TR", Supplier 1=Digi-Key
X1: library part CON_TH_2_F_90_BNC, "Connector; BNC Jack; Right Angled; 75Ohm", Manufacturer="Amphenol RF", Supplier Part Number 1=ACX1985-ND, ComponentLink1Description="Supplier Info", ComponentLink1URL=https://www.digikey.de/product-detail/en/amphenol-rf/112778/ACX1985-ND/3088370, ComponentLink2Description=Datasheet, ComponentLink2URL=https://s3-us-west-2.amazonaws.com/catsy.582/112778.pdf, Manufacturer Part Number=112778, Supplier 1=Digi-Key
X2: "USB-B (USB TYPE-B) USB 2.0 Receptacle Connector 4 Position Surface Mount, Right Angle", Manufacturer="TE Connectivity AMP Connectors", Supplier Part Number 1=A110862CT-ND, ComponentLink1Description="Supplier Info", ComponentLink1URL=https://www.digikey.de/en/products/detail/te-connectivity-amp-connectors/1-1734346-1/2286644, ComponentLink2Description=Datasheet, ComponentLink2URL=https://www.te.com/commerce/DocumentDelivery/DDEController?Action=srchrtrv&DocNm=1734346&DocType=Customer+Drawing&DocLang=English, Manufacturer Part Number=1-1734346-1, Supplier 1=Digi-Key
X3 X4: library part HDR_TH_1X5_M_00_LOCK, "Header; 1x5 pins; Male; Straight; Pitch 2.54mm; Lock Funcion; Board to Cable/Wire", Manufacturer=Molex, Supplier Part Number 1=23-0022292051-ND, ComponentLink1Description="Supplier Info", ComponentLink1URL=https://www.digikey.de/products/en?keywords=WM2747-ND, ComponentLink2Description=Datasheet, ComponentLink2URL=https://www.molex.com/pdm_docs/sd/022292051_sd.pdf, Manufacturer Part Number=22-29-2051, Supplier 1=Digi-Key
Y1: "Christal; SMD; 12 MHz ±30ppm; 10pF/50Ohm", Manufacturer="Abracon LLC", Supplier Part Number 1=535-ABM8-272-T3CT-ND, ComponentLink1Description=Datasheet, ComponentLink1URL=https://mm.digikey.com/Volume0/opasdata/d220001/medias/docus/6128/ABM8-272-T3.pdf, ComponentLink2Description="Supplier Info", ComponentLink2URL=https://www.digikey.de/en/products/detail/abracon-llc/ABM8-272-T3/22472366, Manufacturer Part Number=ABM8-272-T3, Supplier 1=Digi-Key

## Nets (pads, with @x,y where several pads share a name; then routed paths per layer and width w, separated by ;. In a path a pad name is that pad's centre, name@x,y a point inside that pad or via, vN(x,y) a via of type N, cw(c..) or ccw(c..) an arc to the next point about the centre after c; other vN are vias at no path point)
DAC_SCL: U9.7 U10.3
DAC_SDA: U9.8 U10.2
GND: C1.1 C2.1 C3.1 C4.1 C5.1 C6.1 C7.1 C8.1 C10.1 C11.1 C12.1 C13.1 C14.1 C15.1 C16.1 C17.1 C18.1 C19.2 C20.1 C21.1 C22.1 C23.1 C24.2 C25.2 C26.2 C27.2 C28.2 C29.1 C30.2 C31.2 C32.2 C33.2 D1.2 D2.2 D3.2 Q3.2 Q4.2 Q5.2 Q6.2 R2.1 R17.1 R32.1 SW1.3 SW1.4 TP2.0 U1.1 U1.3 U2.1 U2.3 U3.1 U3.4 U4.1 U4.3 U5.0 U5.4 U8.6 U9.3 U9.6 U10.0 U10.19 U13.12 U14.1 U14.6 U15.2 U16.4 X1.0 X2.3 X2.5 X3.4 X4.5 Y1.2 Y1.4
GPIO25: R30.1 U10.37
Is: U8.7 U13.7
M0: U10.34 U13.15 U15.6
M1: U10.35 U13.14 U15.3
M2: U10.36 U13.13 U15.1
N5V: C29.2 C30.1 C31.1 C32.1 C33.1 JP5.2 U6.4 U8.5 U11.2 U13.1 U13.17 U14.5
NetC2_2: C2.2 JP1.1 R1.2 U5.8
NetC4_2: C4.2 JP2.1 L2.2
NetC8_2: C8.2 U5.2
NetC9_1: C9.1 R5.2 R6.1 R7.1 R9.2 R12.2 U6.2 U7.3
NetC21_2: C21.2 R28.1 Y1.3
NetD1_1: D1.1 R14.1 U10.43
NetD2_1: D2.1 R26.2 TP5.0 U9.10
NetD3_1: D3.1 R30.2
NetD4_1: D4.1 Q2.3
NetD4_2: D4.2 Q1.1
NetJP3_1: JP3.1 U2.4
NetJP4_1: JP4.1 U4.4
NetJP5_1: JP5.1 U3.3
NetK1_1: K1.1 Q4.3
NetK1_4: K1.4 X1.1
NetK2_1: K2.1 Q5.3
NetK3_1: K3.1 Q6.3
NetK3_4: K3.4 Q2.2
NetL1_2: L1.2 U1.2
NetL2_1: L2.1 U1.4
NetL3_2: L3.2 U2.2
NetL4_2: L4.2 U3.2
NetL5_2: L5.2 U4.2
NetQ1_2: Q1.2 Q2.4
NetQ2_1: Q2.1 U12.3
NetQ3_1: Q3.1 U15.4
NetQ3_3: Q3.3 R29.1
NetR1_1: R1.1 R2.2 U5.7
NetR3_1: R3.1 R3.2 R7.2
NetR4_3: R4.3 R5.1
NetR8_3: R8.3 R9.1
NetR11_3: R11.3 R12.1
NetR13_1: R13.1 X2.1
NetR15_1: R15.1 R16.1
NetR15_2: R15.2 U8.2
NetR16_2: R16.2 U8.3
NetR17_2: R17.2 U7.2 U7.4
NetR18_1: R18.1 X2.4
NetR19_1: R19.1 R19.2 R23.2
NetR20_3: R20.3 R21.1
NetR21_2: R21.2 R22.1 R23.1 R25.2 U11.4
NetR24_3: R24.3 R25.1
NetR27_1: R27.1 U14.7
NetR31_2: R31.2 SW1.1 SW1.2
NetR32_2: R32.2 U12.2 U12.4
NetU7_1: U7.1 U9.1
NetU9_2: U9.2 U12.1
NetU13_6: U13.6 U14.4
P1V1: C11.2 C12.2 C23.2 TP4.0 U10.23 U10.45 U10.50
P3V3: C10.2 C13.2 C14.2 C15.2 C16.2 C17.2 C18.2 C19.1 C22.2 JP2.2 U9.9 U10.1 U10.10 U10.22 U10.33 U10.42 U10.44 U10.48 U10.49 U13.16 U15.5 U16.8 X3.1
P4V0A: JP1.2 R3.3 R14.2 R19.3 R26.1
P5V: C27.1 JP3.2 K1.2 K2.2 K3.2 Q1.3 Q1.4 U11.5
P15V: C24.1 C25.1 C26.1 C28.1 JP4.2 U6.7 U8.8 U13.11 U14.8
QSPI-SCLK: U10.52 U16.6
QSPI-SD0: U10.53 U16.5
QSPI-SD1: U10.55 U16.2
QSPI-SD2: U10.54 U16.3
QSPI-SD3: U10.51 U16.7
QSPI-SS: R31.1 U10.56 U16.1
REL_BNC: Q4.1 U10.15
REL_Vi: Q6.1 U10.17
REL_Vs: Q5.1 U10.16
SWCLK: U10.24 X3.5
SWDIO: U10.25 X3.3
USB-DM: R13.2 U10.46
USB-DP: R18.2 U10.47
Vaux: U13.9 X4.4
VBUS: C1.2 C3.2 C5.2 C6.2 C7.2 L1.1 L3.1 L4.1 L5.1 TP3.0 U5.1 U13.8 X2.2
Vi: K3.3 U13.10 X4.3
Vm: R27.2 R29.2 U10.41
Vo: R22.2 U11.1 U13.5 X4.2
Vo_A: R20.1 R20.2 U10.11
Vo_B: R24.1 R24.2 U10.12
Vo_Ref: U10.13 U11.3
Vs: K1.3 K2.3 U13.2 X4.1
Vs_BiPhase: R11.1 R11.2 U10.30
Vs_Ref: U6.3 U10.29
Vs_STI_A: R4.1 R4.2 U10.32
Vs_STI_B: R8.1 R8.2 U10.31
Vsn: K2.4 R10.2 U8.1 U13.4
Vsp: C9.2 R6.2 R10.1 U6.6 U8.4 U13.3
XIN: C20.2 U10.20 Y1.1
XOUT: R28.2 U10.21
pads on no net: AOI2.0 AOI3.0 D1.3 D2.3 TP1.0 U5.3 U5.5 U5.6 U6.1 U6.5 U6.8 U9.4 U9.5 U10.4 U10.5 U10.6 U10.7 U10.8 U10.9 U10.14 U10.18 U10.26 U10.27 U10.28 U10.38 U10.39 U10.40 U14.2 U14.3 U16.0 X2.0 X3.2